# Altium PCB DB31.PcbDoc (part 4 of 8) (continued)
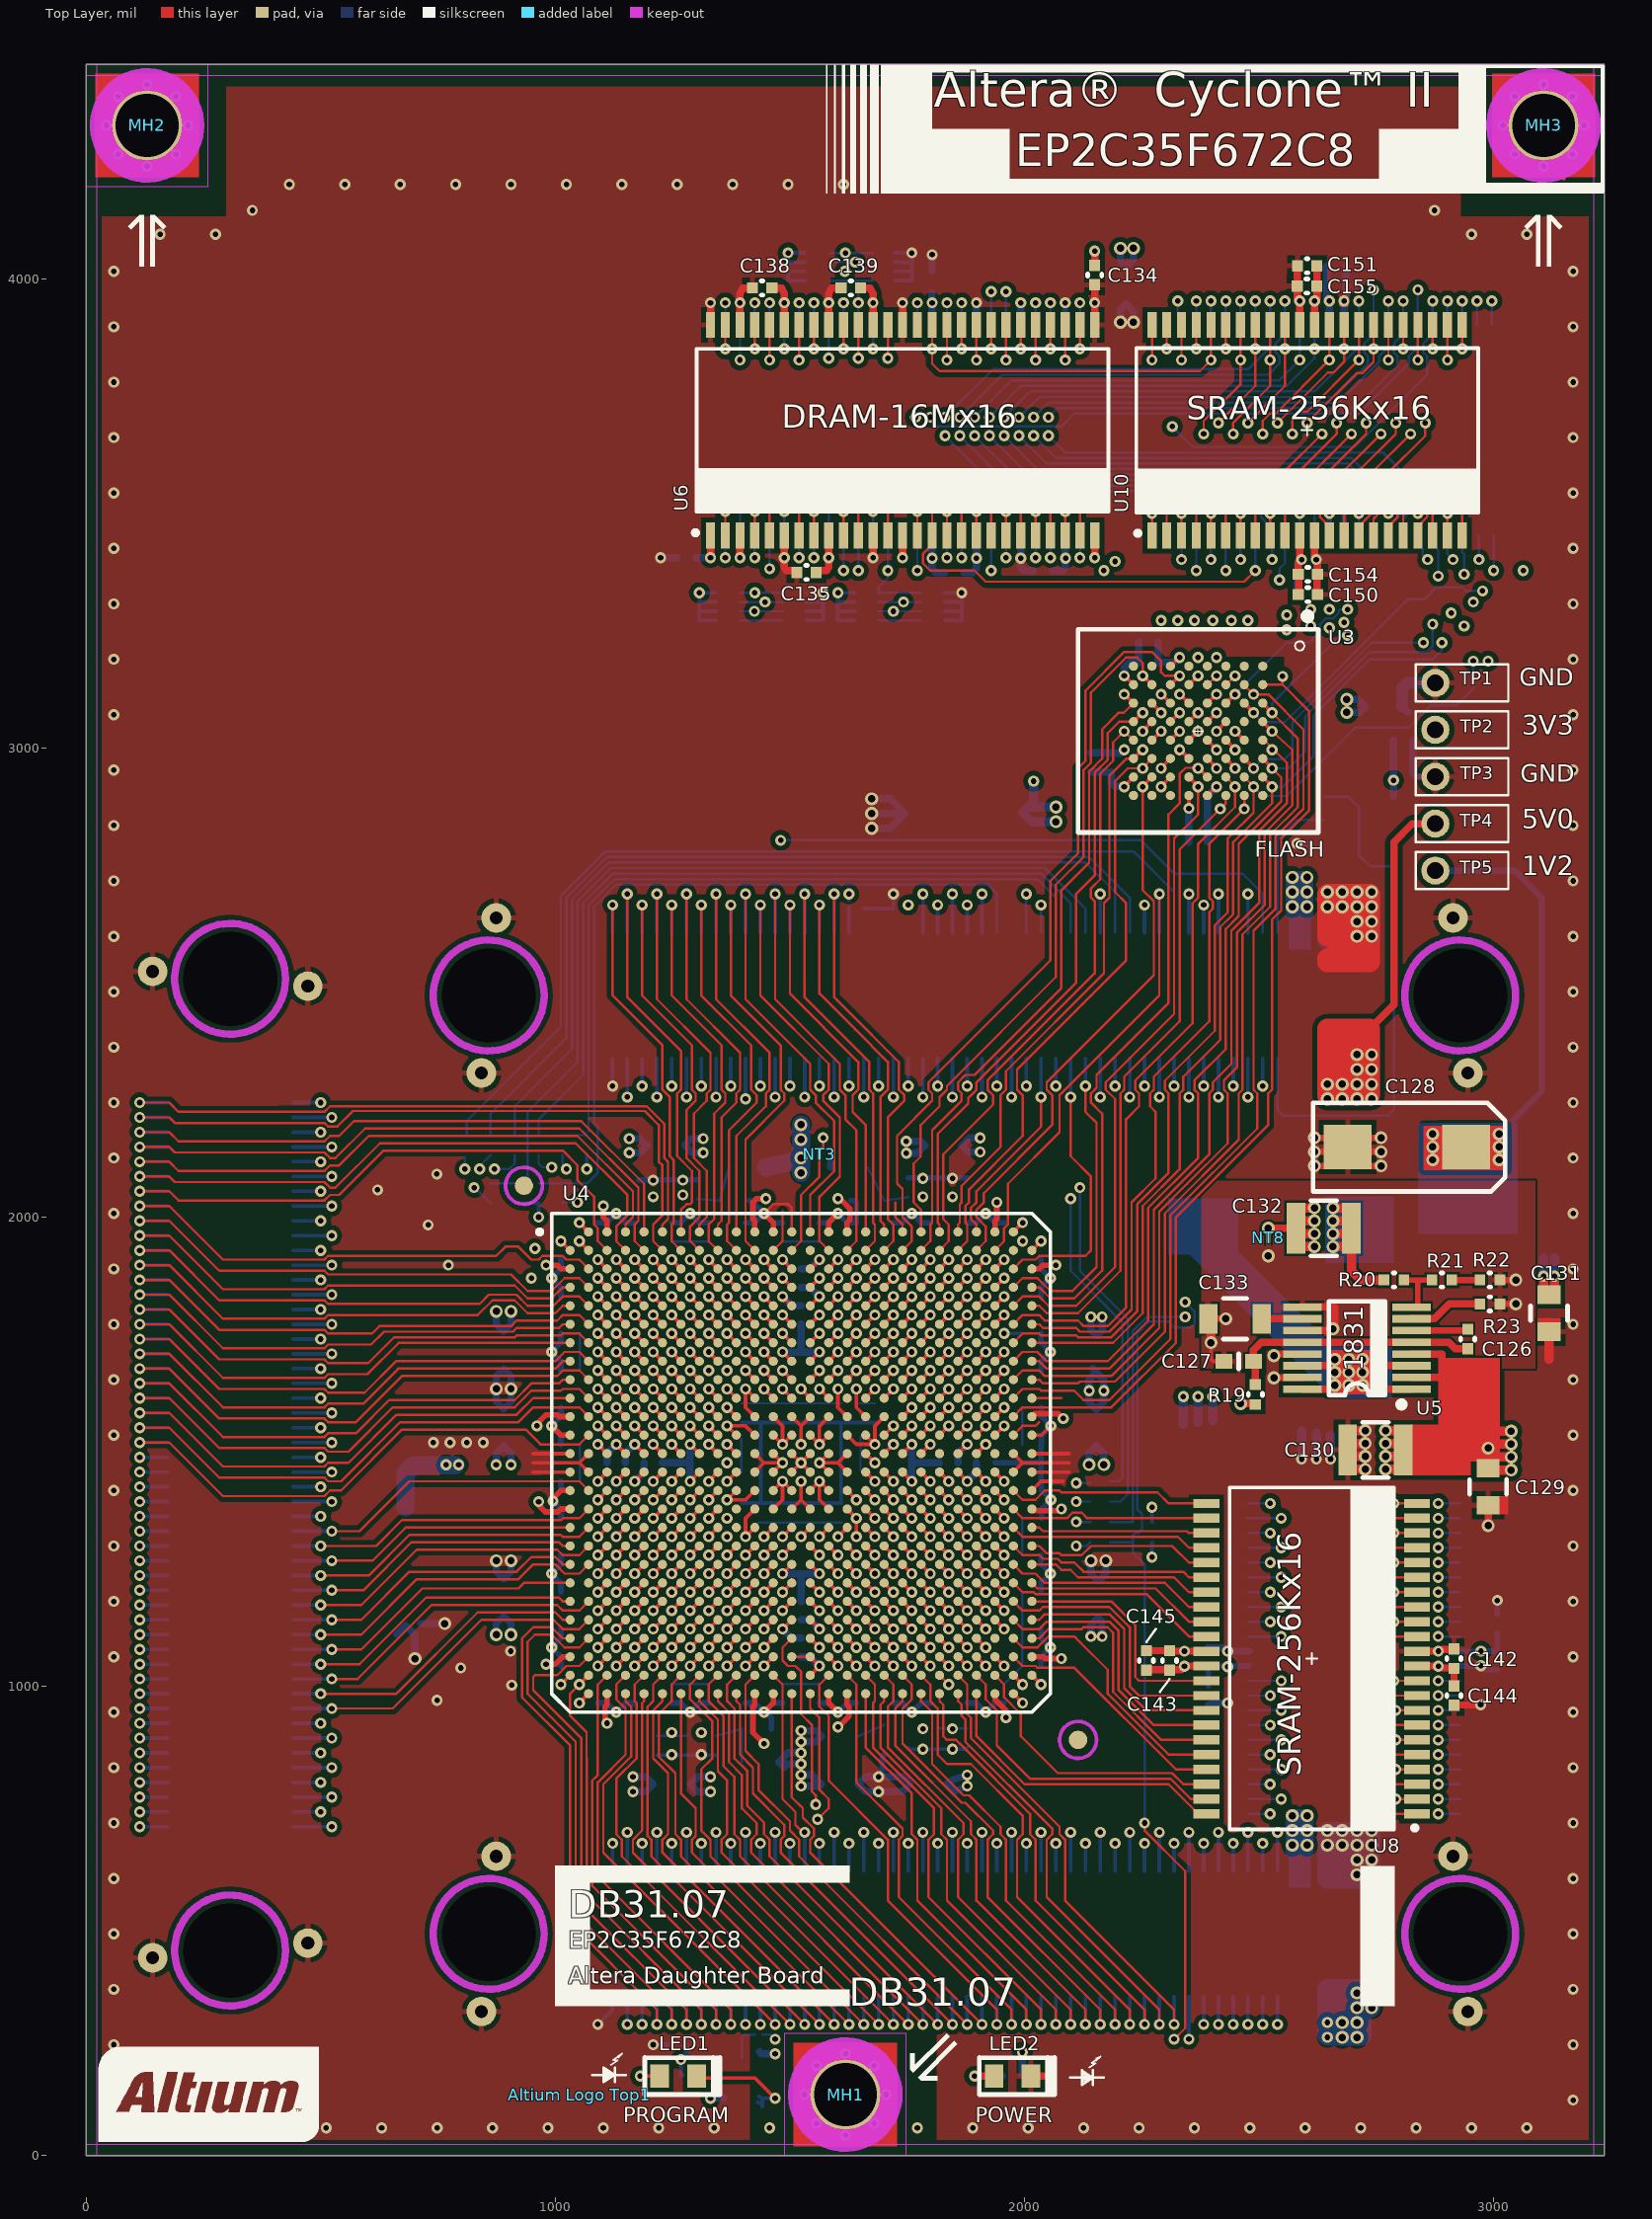
[diagram p0: Top Layer view]
## Nets (pads, with @x,y where several pads share a name; then routed paths per layer and width w, separated by ;. In a path a pad name is that pad's centre, name@x,y a point inside that pad or via, vN(x,y) a via of type N, cw(c..) or ccw(c..) an arc to the next point about the centre after c; other vN are vias at no path point) (continued)
DIP3: HDR_B1.28 U4.AE12 | length 447.4
  Top Layer w5: U4.AE12@1464.57,1023.62 1484.25,1003.93 1484.25,921.26 1484.25,909.45 1484.25,759.84 1511.81,732.28 1511.81,704.72 1527.56,688.98 v2(1531.5,688.98)
  Bottom Layer w7.87: HDR_B1.28@1531.5,606.3 v2(1531.5,688.98)
DIP4: HDR_B1.30 U4.AA13 | length 652.6
  Top Layer w7.87: v1(1484.25,1161.41) U4.AA13@1503.94,1181.1
  MidLayer2 w5: v1(1484.25,1161.41) 1464.57,1141.73 1464.57,921.26 1464.57,909.45 1464.57,889.76 1503.94,850.39 1503.94,688.98 1527.56,665.35 v2(1562.99,665.35)
  Bottom Layer w7.87: HDR_B1.30@1562.99,606.3 v2(1562.99,665.35)
DIP5: HDR_B1.32 U4.AC7 | length 1162.5
  Top Layer w7.87: v1(1248.03,1082.67) U4.AC7@1267.72,1102.36
  MidLayer1 w5: v1(1248.03,1082.67) 1228.35,1062.99 1228.35,1023.62 1196.85,992.12 1196.85,921.26 1196.85,909.45 1196.85,867.82 1102.36,773.33 1102.36,653.54 1141.73,614.17 1559.06,614.17 1594.49,649.61 v2(1594.49,688.98)
  Bottom Layer w7.87: HDR_B1.32@1594.49,606.3 v2(1594.49,688.98)
DIP6: HDR_B1.34 U4.AD6 | length 1110.6
  Top Layer w7.87: v1(1208.66,1043.3) U4.AD6@1228.35,1062.99
  MidLayer1 w5: v1(1208.66,1043.3) 1208.66,1023.62 1185.04,1000 1185.04,921.26 1185.04,909.45 1185.04,874.02 1090.55,779.53 1090.55,649.61 1137.8,602.36 1562.99,602.36 v2(1625.98,665.35)
  Bottom Layer w7.87: HDR_B1.34@1625.99,606.3 v2(1625.98,665.35)
DIP7: HDR_B1.36 U4.AC6 | length 1259.8
  Top Layer w7.87: v1(1208.66,1082.67) U4.AC6@1228.35,1102.36
  MidLayer1 w5: v1(1208.66,1082.67) 1188.98,1062.99 1188.98,1023.62 1173.23,1007.87 1173.23,921.26 1173.23,909.45 1173.23,877.95 1078.74,783.46 1078.74,645.67 1133.86,590.55 1586.61,590.55 1657.48,661.42 v2(1657.48,688.98)
  Bottom Layer w7.87: HDR_B1.36@1657.48,606.3 v2(1657.48,688.98)
EXTEND_A0: HDR_L1.1 U4.A6 | length 1467.7
  Top Layer w5: v2(114.17,2244.09) 177.17,2244.09 196.85,2224.41 409.45,2224.41 ; 385.83,2224.41 507.88,2224.41 519.69,2236.22 1194.66,2236.22 1232.28,2198.6 1232.28,2125.98 1240.16,2118.11 1240.16,2043.31 1240.16,2031.5 1240.16,1996.06 1228.35,1984.25 U4.A6@1228.35,1968.5
  Bottom Layer w7.87: v2(114.17,2244.09) HDR_L1.1@173.23,2244.09
EXTEND_A1: HDR_L1.3 U4.B6 | length 1533.7
  Top Layer w5: v2(114.17,2212.6) 153.54,2212.6 ; 137.8,2212.6 177.17,2212.6 188.98,2200.79 409.45,2200.79 ; 377.95,2200.79 507.88,2200.79 515.75,2192.91 535.43,2192.91 568.74,2226.22 1190.52,2226.22 1220.47,2196.27 1220.47,2118.11 1228.35,2110.24 1228.35,2043.31 1228.35,2031.5 1228.35,2003.94 1208.66,1984.25 1208.66,1948.82 U4.B6@1228.35,1929.13
  Bottom Layer w7.87: v2(114.17,2212.6) HDR_L1.3@173.23,2212.6
EXTEND_A2: HDR_L1.5 U4.A5 | length 1337.4
  Top Layer w5: v2(114.17,2181.1) 157.48,2181.1 ; 137.8,2181.1 177.17,2181.1 196.85,2161.42 507.88,2161.42 519.69,2173.23 539.37,2173.23 570.87,2204.72 1055.12,2204.72 1188.98,2070.87 1188.98,2043.31 1188.98,2031.5 U4.A5@1188.98,1968.5
  Bottom Layer w7.87: v2(114.17,2181.1) HDR_L1.5@173.23,2181.1
EXTEND_A3: HDR_L1.7 U4.B5 | length 1371.1
  Top Layer w5: v2(114.17,2149.61) 153.54,2149.61 ; 137.8,2149.61 177.17,2149.61 188.98,2137.8 507.88,2137.8 519.69,2125.98 531.5,2125.98 594.49,2188.98 1051.18,2188.98 1177.17,2062.99 1177.17,2043.31 1177.17,2031.5 1177.17,1992.12 1169.29,1984.25 1169.29,1948.82 U4.B5@1188.98,1929.13
  Bottom Layer w7.87: v2(114.17,2149.61) HDR_L1.7@173.23,2149.6
EXTEND_A4: HDR_L1.9 U4.A4 | length 1326.9
  Top Layer w5: v2(114.17,2118.11) 149.6,2118.11 ; 137.8,2118.11 177.17,2118.11 196.85,2098.43 409.45,2098.43 ; 385.83,2098.43 507.88,2098.43 519.69,2110.24 539.37,2110.24 602.36,2173.23 1047.24,2173.23 1165.35,2055.12 1165.35,2043.31 1165.35,2031.5 1165.35,2000 1149.61,1984.25 U4.A4@1149.61,1968.5
  Bottom Layer w7.87: v2(114.17,2118.11) HDR_L1.9@173.23,2118.11
EXTEND_A5: HDR_L1.11 U4.B4 | length 1340.9
  Top Layer w5: v2(114.17,2086.62) 149.61,2086.62 ; 137.8,2086.61 177.17,2086.61 188.98,2074.8 507.88,2074.8 519.69,2062.99 531.5,2062.99 625.98,2157.48 1043.31,2157.48 1153.54,2047.24 1153.54,2043.31 1153.54,2031.5 1153.54,2003.94 1129.92,1980.32 1129.92,1948.82 U4.B4@1149.61,1929.13
  Bottom Layer w7.87: v2(114.17,2086.62) HDR_L1.11@173.23,2086.61
EXTEND_A6: HDR_L1.13 U4.B3 | length 1300
  Top Layer w5: v2(114.17,2055.12) 149.61,2055.12 ; 137.8,2055.12 177.16,2055.12 196.85,2035.43 409.45,2035.43 ; 385.83,2035.43 507.88,2035.43 519.69,2047.24 539.37,2047.24 633.86,2141.73 1015.75,2141.73 1047.24,2110.24 1047.24,2078.74 1082.68,2043.31 1082.68,2031.5 1082.68,1984.25 1090.55,1976.38 1090.55,1948.82 U4.B3@1110.24,1929.13
  Bottom Layer w7.87: v2(114.17,2055.12) HDR_L1.13@173.23,2055.12
EXTEND_A7: HDR_L1.15 U4.C2 | length 1112.4
  Top Layer w5: v2(114.17,2023.62) 149.61,2023.62 ; 137.8,2023.62 177.16,2023.62 291.34,1909.45 507.87,1909.45 515.75,1917.32 874.02,1917.32 893.7,1937.01 921.26,1937.01 948.82,1909.45 964.57,1909.45 972.44,1917.32 1015.75,1917.32 1023.62,1909.45 1051.18,1909.45 U4.C2@1070.87,1889.76
  Bottom Layer w7.87: v2(114.17,2023.62) HDR_L1.15@173.23,2023.62
EXTEND_A8: HDR_L1.17 U4.D2 | length 1109.1
  Top Layer w5: v2(114.17,1992.13) 149.61,1992.13 ; 137.8,1992.13 177.16,1992.13 283.46,1885.83 507.87,1885.83 515.75,1877.95 905.51,1877.95 940.94,1842.52 956.69,1842.52 968.5,1842.52 992.13,1842.52 1019.68,1870.08 1051.18,1870.08 U4.D2@1070.87,1850.39
  Bottom Layer w7.87: v2(114.17,1992.13) HDR_L1.17@173.23,1992.12
EXTEND_A9: HDR_L1.19 U4.D1 | length 1059.9
  Top Layer w5: v2(114.17,1960.63) 149.61,1960.63 ; 137.8,1960.63 177.16,1960.63 291.34,1846.46 507.87,1846.46 515.75,1854.33 913.39,1854.33 940.94,1826.77 956.69,1826.77 968.5,1826.77 992.13,1826.77 1015.75,1850.39 U4.D1@1031.5,1850.39
  Bottom Layer w7.87: v2(114.17,1960.63) HDR_L1.19@173.23,1960.63
EXTEND_A10: HDR_L1.21 U4.E2 | length 1109.1
  Top Layer w5: v2(114.17,1929.13) 149.61,1929.13 ; 137.8,1929.13 177.16,1929.13 283.46,1822.83 507.87,1822.83 515.75,1814.96 838.58,1814.96 858.27,1834.65 917.32,1834.65 940.94,1811.02 956.69,1811.02 968.5,1811.02 996.06,1811.02 1015.75,1830.71 1051.18,1830.71 U4.E2@1070.87,1811.02
  Bottom Layer w7.87: v2(114.17,1929.13) HDR_L1.21@173.23,1929.13
EXTEND_A11: HDR_L1.23 U4.E1 | length 1069.7
  Top Layer w5: v2(114.17,1897.64) 149.61,1897.64 ; 137.8,1897.64 177.16,1897.64 291.34,1783.46 507.87,1783.46 515.75,1791.34 834.64,1791.34 866.14,1822.83 913.39,1822.83 940.94,1795.28 956.69,1795.28 968.5,1795.28 1000,1795.28 1015.75,1811.02 U4.E1@1031.5,1811.02
  Bottom Layer w7.87: v2(114.17,1897.64) HDR_L1.23@173.23,1897.64
EXTEND_A12: HDR_L1.25 U4.F2 | length 1099.3
  Top Layer w5: v2(114.17,1866.14) 149.61,1866.14 ; 137.8,1866.14 177.16,1866.14 283.46,1759.84 507.87,1759.84 515.75,1751.97 609.25,1751.97 625,1767.72 905.51,1767.72 917.32,1779.53 956.69,1779.53 968.5,1779.53 1003.94,1779.53 1015.75,1791.34 1051.18,1791.34 U4.F2@1070.87,1771.65
  Bottom Layer w7.87: v2(114.17,1866.14) HDR_L1.25@173.23,1866.14
EXTEND_A13: HDR_L1.27 U4.F1 | length 1056.7
  Top Layer w5: v2(114.17,1834.65) 149.61,1834.65 ; 137.8,1834.65 177.16,1834.65 291.34,1720.47 507.87,1720.47 515.75,1728.35 607.28,1728.35 634.84,1755.91 909.45,1755.91 917.32,1763.78 956.69,1763.78 968.5,1763.78 1007.87,1763.78 1015.75,1771.65 U4.F1@1031.5,1771.65
  Bottom Layer w7.87: v2(114.17,1834.65) HDR_L1.27@173.23,1834.64
EXTEND_A14: HDR_L1.29 U4.G2 | length 1105.2
  Top Layer w5: v2(114.17,1803.15) 145.67,1803.15 ; 137.8,1803.15 177.16,1803.15 283.46,1696.85 507.87,1696.85 515.75,1688.98 601.38,1688.98 656.5,1744.09 913.39,1744.09 917.32,1748.03 956.69,1748.03 968.5,1748.03 1011.81,1748.03 1015.75,1751.97 1051.18,1751.97 U4.G2@1070.87,1732.28
  Bottom Layer w7.87: v2(114.17,1803.15) HDR_L1.29@173.23,1803.15
EXTEND_A15: HDR_L1.31 U4.G1 | length 1062.5
  Top Layer w5: v2(114.17,1771.65) 145.67,1771.65 ; 137.8,1771.65 177.16,1771.65 291.34,1657.48 507.87,1657.48 515.75,1665.35 599.41,1665.35 666.34,1732.28 956.69,1732.28 968.5,1732.28 U4.G1@1031.5,1732.28
  Bottom Layer w7.87: v2(114.17,1771.65) HDR_L1.31@173.23,1771.65
EXTEND_A16: HDR_L1.33 U4.H2 | length 1114.9
  Top Layer w5: v2(114.17,1740.16) 145.67,1740.16 ; 137.8,1740.16 177.16,1740.16 283.46,1633.86 507.87,1633.86 515.75,1625.98 593.5,1625.98 660.43,1692.91 956.69,1692.91 968.5,1692.91 1000,1692.91 1019.68,1712.6 1051.18,1712.6 U4.H2@1070.87,1692.91
  Bottom Layer w7.87: v2(114.17,1740.16) HDR_L1.33@173.23,1740.15
EXTEND_A17: HDR_L1.35 U4.H1 | length 1076.3
  Top Layer w5: v2(114.17,1708.66) 149.61,1708.66 ; 137.8,1708.66 177.16,1708.66 291.34,1594.49 507.87,1594.49 515.75,1602.36 590.55,1602.36 665.36,1677.17 956.69,1677.17 968.5,1677.17 1000,1677.17 1015.75,1692.91 U4.H1@1031.5,1692.91
  Bottom Layer w7.87: v2(114.17,1708.66) HDR_L1.35@173.23,1708.66
EXTEND_A18: HDR_L1.37 U4.J2 | length 1128.7
  Top Layer w5: v2(114.17,1677.17) 149.61,1677.17 ; 137.8,1677.17 177.16,1677.17 283.46,1570.86 507.87,1570.86 515.75,1562.99 574.8,1562.99 673.23,1661.42 956.69,1661.42 968.5,1661.42 1003.94,1661.42 1015.75,1673.23 1051.18,1673.23 U4.J2@1070.87,1653.54
  Bottom Layer w7.87: v2(114.17,1677.17) HDR_L1.37@173.23,1677.16
EXTEND_A19: HDR_L1.39 U4.J1 | length 1086
  Top Layer w5: v2(114.17,1645.67) 149.61,1645.67 ; 137.8,1645.67 177.16,1645.67 291.34,1531.49 507.87,1531.49 515.75,1539.37 574.8,1539.37 645.67,1610.24 913.39,1610.24 948.82,1645.67 956.69,1645.67 968.5,1645.67 1007.88,1645.67 1015.75,1653.54 U4.J1@1031.5,1653.54
  Bottom Layer w7.87: v2(114.17,1645.67) HDR_L1.39@173.23,1645.67
EXTEND_A20: HDR_L1.41 U4.K2 | length 1138.4
  Top Layer w5: v2(114.17,1614.17) 149.61,1614.17 ; 137.8,1614.17 177.16,1614.17 283.46,1507.87 507.87,1507.87 515.75,1500 559.05,1500 653.54,1594.49 913.39,1594.49 948.82,1629.92 956.69,1629.92 968.5,1629.92 1011.81,1629.92 1015.75,1633.86 1051.18,1633.86 U4.K2@1070.87,1614.17
  Bottom Layer w7.87: v2(114.17,1614.17) HDR_L1.41@173.23,1614.17
EXTEND_A21: HDR_L1.43 U4.K1 | length 1095.8
  Top Layer w5: v2(114.17,1582.68) 149.61,1582.68 ; 137.8,1582.68 177.16,1582.68 291.34,1468.5 507.87,1468.5 515.75,1476.38 559.05,1476.38 661.42,1578.74 917.32,1578.74 952.76,1614.17 956.69,1614.17 968.5,1614.17 U4.K1@1031.5,1614.17
  Bottom Layer w7.87: v2(114.17,1582.68) HDR_L1.43@173.23,1582.67
EXTEND_A22: HDR_L1.45 U4.L2 | length 1136.4
  Top Layer w5: v2(114.17,1551.18) 177.16,1551.18 283.46,1444.88 507.87,1444.88 515.75,1437.01 543.31,1437.01 669.29,1562.99 921.26,1562.99 952.76,1594.49 956.69,1594.49 968.5,1594.49 1051.18,1594.49 U4.L2@1070.87,1574.8
  Bottom Layer w7.87: v2(114.17,1551.18) HDR_L1.45@173.23,1551.18
EXTEND_A23: HDR_L1.47 U4.M2 | length 1154.8
  Top Layer w5: v2(114.17,1519.69) 149.61,1519.69 ; 137.8,1519.69 177.16,1519.69 291.34,1405.51 507.87,1405.51 519.68,1417.32 543.31,1417.32 673.23,1547.24 937.01,1547.24 968.5,1515.75 1051.18,1515.75 U4.M2@1070.87,1535.43
  Bottom Layer w7.87: v2(114.17,1519.69) HDR_L1.47@173.23,1519.68
EXTEND_A24: HDR_L1.49 U4.E8 | length 1418.3
  Top Layer w7.87: v1(1287.4,1830.71) U4.E8@1307.09,1811.02
  MidLayer2 w5: v2(114.17,1488.19) 145.67,1488.19 440.94,1783.46 507.87,1783.46 574.8,1850.39 956.69,1850.39 968.5,1850.39 1267.72,1850.39 v1(1287.4,1830.71)
  Bottom Layer w7.87: v2(114.17,1488.19) HDR_L1.49@173.23,1488.19
EXTEND_A25: HDR_L1.51 U4.F7 | length 1398.5
  Top Layer w7.87: v1(1248.03,1791.34) U4.F7@1267.72,1771.65
  MidLayer2 w5: v2(114.17,1456.69) 145.67,1456.69 448.82,1759.84 507.87,1759.84 519.68,1748.03 543.31,1748.03 622.05,1826.77 917.32,1826.77 933.07,1811.02 956.69,1811.02 968.51,1811.03 1228.35,1811.03 v1(1248.03,1791.34)
  Bottom Layer w7.87: v2(114.17,1456.69) HDR_L1.51@173.23,1456.69
EXTEND_A26: HDR_L1.53 U4.G5 | length 1293.7
  Top Layer w7.87: v1(1169.29,1751.97) U4.G5@1188.98,1732.28
  MidLayer2 w5: v2(114.17,1425.2) 145.67,1425.2 440.94,1720.47 507.87,1720.47 519.69,1732.28 547.24,1732.28 586.61,1771.65 956.69,1771.65 968.51,1771.65 1149.61,1771.65 v1(1169.29,1751.97)
  Bottom Layer w7.87: v2(114.17,1425.2) HDR_L1.53@173.23,1425.19
EXTEND_A27: HDR_L1.55 U4.H6 | length 1339.6
  Top Layer w7.87: v1(1208.66,1712.6) U4.H6@1228.35,1692.91
  MidLayer2 w5: v2(114.17,1393.7) 145.67,1393.7 448.81,1696.85 507.87,1696.85 519.68,1685.04 531.5,1685.04 578.74,1732.28 956.69,1732.28 968.51,1732.28 1188.98,1732.29 v1(1208.66,1712.6)
  Bottom Layer w7.87: v2(114.17,1393.7) HDR_L1.55@173.23,1393.7
EXTEND_A28: HDR_L1.57 U4.J5 | length 1287.2
  Top Layer w7.87: v1(1169.29,1673.23) U4.J5@1188.98,1653.54
  MidLayer2 w5: v2(114.17,1362.21) 145.67,1362.21 440.94,1657.48 507.87,1657.48 519.69,1669.29 535.43,1669.29 559.06,1692.91 956.69,1692.91 968.51,1692.91 1149.61,1692.91 v1(1169.29,1673.23)
  Bottom Layer w7.87: v2(114.17,1362.21) HDR_L1.57@173.23,1362.2
EXTEND_A29: HDR_L1.59 U4.K5 | length 1300.2
  Top Layer w7.87: v1(1169.29,1633.86) U4.K5@1188.98,1614.17
  MidLayer2 w5: v2(114.17,1330.71) 145.67,1330.71 448.81,1633.86 507.87,1633.86 519.68,1622.05 531.5,1622.05 570.87,1661.42 917.32,1661.42 925.2,1653.54 956.69,1653.54 968.51,1653.54 1149.61,1653.54 v1(1169.29,1633.86)
  Bottom Layer w7.87: v2(114.17,1330.71) HDR_L1.59@173.23,1330.71
EXTEND_A30: HDR_L1.61 U4.K6 | length 1320
  Top Layer w7.87: v1(1208.66,1633.86) U4.K6@1228.35,1614.17
  MidLayer2 w5: v2(114.17,1299.21) 145.67,1299.21 440.94,1594.49 507.87,1594.49 523.62,1610.24 921.26,1610.24 925.2,1614.17 956.69,1614.17 968.51,1614.18 1188.98,1614.17 v1(1208.66,1633.86)
  Bottom Layer w7.87: v2(114.17,1299.21) HDR_L1.61@173.23,1299.21
EXTEND_A31: HDR_L1.63 U4.L6 | length 1326.5
  Top Layer w7.87: v1(1208.66,1594.49) U4.L6@1228.35,1574.8
  MidLayer2 w5: v2(114.17,1267.72) 145.67,1267.72 448.81,1570.86 507.87,1570.86 519.68,1559.05 531.49,1559.05 547.24,1574.8 956.69,1574.8 968.51,1574.81 1188.98,1574.8 v1(1208.66,1594.49)
  Bottom Layer w7.87: v2(114.17,1267.72) HDR_L1.63@173.23,1267.71
EXTEND_A32: HDR_L1.65 U4.K9 | length 1505.3
  Top Layer w7.87: v1(1326.77,1633.86) U4.K9@1346.46,1614.17
  MidLayer2 w5: v2(114.17,1236.22) 145.67,1236.22 440.94,1531.49 507.87,1531.49 519.69,1543.31 917.32,1543.31 925.2,1535.43 956.69,1535.43 968.51,1535.43 1220.47,1535.43 1228.35,1543.31 1228.35,1602.36 1240.16,1614.17 1307.09,1614.17 v1(1326.77,1633.86)
  Bottom Layer w7.87: v2(114.17,1236.22) HDR_L1.65@173.23,1236.22
EXTEND_A33: HDR_L1.67 U4.L9 | length 1549.3
  Top Layer w7.87: v1(1326.77,1594.49) U4.L9@1346.46,1574.8
  MidLayer2 w5: v2(114.17,1204.72) 145.67,1204.72 448.81,1507.87 507.87,1507.87 519.68,1496.06 956.69,1496.06 968.51,1496.06 1334.65,1496.06 1346.46,1507.87 1346.46,1574.8 v1(1326.77,1594.49)
  Bottom Layer w7.87: v2(114.17,1204.72) HDR_L1.67@173.23,1204.72
EXTEND_A34: HDR_L1.69 U4.L10 | length 1637.8
  Top Layer w7.87: v1(1366.14,1594.49) U4.L10@1385.83,1574.8
  MidLayer2 w5: v2(114.17,1173.23) 145.67,1173.23 440.94,1468.5 507.87,1468.5 519.69,1480.31 716.54,1480.31 744.09,1452.76 925.2,1452.76 929.13,1456.69 956.69,1456.69 968.51,1456.69 1374.02,1456.69 1385.83,1468.5 1385.83,1574.8 v1(1366.14,1594.49)
  Bottom Layer w7.87: v2(114.17,1173.23) HDR_L1.69@173.23,1173.23
EXTEND_A35: HDR_L1.71 U4.P6 | length 1326.5
  Top Layer w7.87: v1(1208.66,1437.01) U4.P6@1228.35,1456.69
  MidLayer2 w5: v2(114.17,1141.73) 145.67,1141.73 448.81,1444.88 507.87,1444.88 519.68,1433.07 909.45,1433.07 925.2,1417.32 956.69,1417.32 968.51,1417.33 1188.98,1417.32 v1(1208.66,1437.01)
  Bottom Layer w7.87: v2(114.17,1141.73) HDR_L1.71@173.23,1141.73
EXTEND_A36: HDR_L1.73 U4.R6 | length 1339.6
  Top Layer w7.87: v1(1208.66,1397.64) U4.R6@1228.35,1417.32
  MidLayer2 w5: v2(114.17,1110.24) 145.67,1110.24 440.94,1405.51 507.87,1405.51 519.69,1417.32 874.02,1417.32 921.26,1370.08 956.69,1370.08 968.51,1370.08 1023.63,1370.08 1031.5,1377.96 1133.86,1377.95 1188.98,1377.95 v1(1208.66,1397.64)
  Bottom Layer w7.87: v2(114.17,1110.24) HDR_L1.73@173.23,1110.23
EXTEND_A37: HDR_L1.75 U4.T6 | length 1333
  Top Layer w7.87: v1(1208.66,1358.27) U4.T6@1228.35,1377.95
  MidLayer2 w5: v2(114.17,1078.74) 145.67,1078.74 448.81,1381.89 507.87,1381.89 519.68,1370.08 877.95,1370.08 909.45,1338.58 956.69,1338.58 968.51,1338.59 1188.98,1338.58 v1(1208.66,1358.27)
  Bottom Layer w7.87: v2(114.17,1078.74) HDR_L1.75@173.23,1078.74
EXTEND_A38: HDR_L1.77 U4.U5 | length 1300.2
  Top Layer w7.87: v1(1169.29,1318.9) U4.U5@1188.98,1338.58
  MidLayer2 w5: v2(114.17,1047.24) 145.67,1047.24 440.94,1342.52 507.87,1342.52 519.69,1354.33 874.02,1354.33 929.13,1299.21 956.69,1299.21 968.51,1299.21 1149.61,1299.21 v1(1169.29,1318.9)
  Bottom Layer w7.87: v2(114.17,1047.24) HDR_L1.77@173.23,1047.24
EXTEND_A39: HDR_L1.79 U4.V5 | length 1300.2
  Top Layer w7.87: v1(1169.29,1279.53) U4.V5@1188.98,1299.21
  MidLayer2 w5: v2(114.17,1015.75) 145.67,1015.75 448.81,1318.9 507.87,1318.9 519.68,1307.09 901.58,1307.09 948.82,1259.84 956.69,1259.84 968.51,1259.84 1149.61,1259.84 v1(1169.29,1279.53)
  Bottom Layer w7.87: v2(114.17,1015.75) HDR_L1.79@173.23,1015.74
EXTEND_A40: HDR_L1.81 U4.W6 | length 1346.1
  Top Layer w7.87: v1(1208.66,1240.16) U4.W6@1228.35,1259.84
  MidLayer2 w5: v2(114.17,984.25) 145.67,984.25 440.94,1279.53 507.87,1279.53 519.69,1291.34 814.96,1291.34 885.83,1220.47 956.69,1220.47 968.51,1220.47 1188.98,1220.47 v1(1208.66,1240.16)
  Bottom Layer w7.87: v2(114.17,984.25) HDR_L1.81@173.23,984.25
EXTEND_A41: HDR_L1.83 U4.Y5 | length 1306.7
  Top Layer w7.87: v1(1169.29,1200.78) U4.Y5@1188.98,1220.47
  MidLayer2 w5: v2(114.17,952.76) 145.67,952.75 448.81,1255.9 507.87,1255.9 519.69,1244.09 842.52,1244.09 905.51,1181.1 956.69,1181.1 968.51,1181.1 1149.61,1181.1 v1(1169.29,1200.78)
  Bottom Layer w7.87: v2(114.17,952.76) HDR_L1.83@173.23,952.75
EXTEND_A42: HDR_L1.85 U4.AA5 | length 1313.2
  Top Layer w7.87: v1(1169.29,1161.41) U4.AA5@1188.98,1181.1
  MidLayer2 w5: v2(114.17,921.26) 145.67,921.26 440.94,1216.53 507.87,1216.53 519.69,1228.34 838.58,1228.34 925.2,1141.73 956.69,1141.73 968.51,1141.73 1149.61,1141.73 v1(1169.29,1161.41)
  Bottom Layer w7.87: v2(114.17,921.26) HDR_L1.85@173.23,921.26
EXTEND_A43: HDR_L1.87 U4.AA6 | length 1387.4
  Top Layer w7.87: v1(1208.66,1161.41) U4.AA6@1228.35,1181.1
  MidLayer2 w5: v2(114.17,889.76) 145.67,889.76 448.81,1192.91 507.87,1192.91 519.69,1181.1 866.14,1181.1 944.88,1102.36 956.69,1102.36 968.5,1102.36 1181.1,1102.36 1188.98,1110.24 1188.98,1141.73 v1(1208.66,1161.41)
  Bottom Layer w7.87: v2(114.17,889.76) HDR_L1.87@173.23,889.76
EXTEND_A44: HDR_L1.89 U4.H8 | length 1907.1
  Top Layer w7.87: v1(1287.4,1712.6) U4.H8@1307.09,1692.91
  MidLayer3 w5: v2(114.17,858.27) 133.86,858.27 168.4,892.81 168.4,1365.25 460.63,1657.48 507.87,1657.48 526.57,1676.18 821.85,1676.18 877.95,1732.28 956.69,1732.28 968.5,1732.28 1267.72,1732.28 v1(1287.4,1712.6)
  Bottom Layer w7.87: v2(114.17,858.27) HDR_L1.89@173.23,858.26
EXTEND_A45: HDR_L1.91 U4.J6 | length 1831.6
  Top Layer w7.87: v1(1208.66,1673.23) U4.J6@1228.35,1653.54
  MidLayer3 w5: v2(114.17,826.77) 133.86,826.77 192.91,885.83 192.91,1358.27 468.5,1633.86 507.87,1633.86 515.75,1625.98 799.21,1625.98 866.14,1692.91 956.69,1692.91 968.51,1692.91 1188.98,1692.91 v1(1208.66,1673.23)
  Bottom Layer w7.87: v2(114.17,826.77) HDR_L1.91@173.23,826.77
EXTEND_A46: HDR_L1.93 U4.J8 | length 1907.1
  Top Layer w7.87: v1(1287.4,1673.23) U4.J8@1307.09,1653.54
  MidLayer3 w5: v2(114.17,795.28) 133.86,795.28 216.54,877.95 216.54,1350.39 460.63,1594.49 507.87,1594.49 519.68,1606.3 811.02,1606.3 866.14,1661.42 922.24,1661.42 930.12,1653.54 956.69,1653.54 968.51,1653.54 1267.72,1653.54 v1(1287.4,1673.23)
  Bottom Layer w7.87: v2(114.17,795.28) HDR_L1.93@173.23,795.27
EXTEND_A47: HDR_L1.95 U4.K7 | length 1867.7
  Top Layer w7.87: v1(1248.03,1633.86) U4.K7@1267.72,1614.17
  MidLayer3 w5: v2(114.17,763.78) 133.86,763.78 240.16,870.08 240.16,1342.52 468.5,1570.87 507.87,1570.87 519.68,1559.06 870.08,1559.06 925.2,1614.17 956.69,1614.17 968.51,1614.17 1228.35,1614.17 v1(1248.03,1633.86)
  Bottom Layer w7.87: v2(114.17,763.78) HDR_L1.95@173.23,763.78
EXTEND_A48: HDR_L1.97 U4.L7 | length 1854.9
  Top Layer w7.87: v1(1248.03,1594.49) U4.L7@1267.72,1574.8
  MidLayer3 w5: v2(114.17,732.28) 133.86,732.28 263.78,862.2 263.78,1334.65 460.63,1531.5 508.35,1531.5 508.35,1531.97 519.68,1543.31 881.89,1543.31 913.39,1574.8 956.69,1574.8 968.51,1574.8 1228.35,1574.8 v1(1248.03,1594.49)
  Bottom Layer w7.87: v2(114.17,732.28) HDR_L1.97@173.23,732.28
EXTEND_A49: HDR_L1.99 U4.K8 | length 1972.4
  Top Layer w7.87: v1(1287.4,1633.86) U4.K8@1307.09,1614.17
  MidLayer3 w5: v2(114.17,700.79) 133.86,700.79 287.4,854.33 287.4,1322.83 472.44,1507.87 507.87,1507.87 519.68,1496.06 870.08,1496.06 909.45,1535.43 956.69,1535.43 968.51,1535.43 1259.84,1535.43 1267.72,1543.31 1267.72,1614.17 v1(1287.4,1633.86)
  Bottom Layer w7.87: v2(114.17,700.79) HDR_L1.99@173.23,700.78
EXTEND_B0: HDR_L1.2 U4.D5 | length 1070.7
  Top Layer w7.87: v1(1169.29,1870.08) U4.D5@1188.98,1850.39
  MidLayer1 w5: v2(500,2244.1) 1062.99,2244.1 1129.53,2177.56 1129.53,2106.69 1149.61,2086.61 1149.61,2039.37 1149.61,2031.5 1149.61,1889.76 v1(1169.29,1870.08) ; v1@1167.32,1868.11 v1@1169.28,1866.15
  Bottom Layer w7.87: HDR_L1.2@440.94,2244.09 v2(500,2244.1)
EXTEND_B1: HDR_L1.4 U4.C4 | length 1021.5
  Top Layer w7.87: v1(1129.92,1909.45) U4.C4@1149.61,1889.76
  MidLayer1 w5: v2(523.62,2212.6) 527.56,2212.6 531.5,2208.66 1084.28,2208.66 1119.53,2173.42 1119.53,2080.16 1082.68,2043.31 1082.68,2039.37 1082.68,2031.5 1082.68,1992.13 1129.92,1944.88 v1(1129.92,1909.45)
  Bottom Layer w7.87: HDR_L1.4@440.94,2212.6 v2(523.62,2212.6)
EXTEND_B2: HDR_L1.6 U4.C3 | length 946.6
  Top Layer w7.87: v1(1090.55,1909.45) U4.C3@1110.24,1889.76
  MidLayer1 w5: v2(500,2181.1) 1047.24,2181.1 1098.43,2129.92 1098.43,2074.8 1070.87,2047.24 1070.87,1929.13 v1(1090.55,1909.45)
  Bottom Layer w7.87: HDR_L1.6@440.94,2181.1 v2(500,2181.1)
EXTEND_B3: HDR_L1.8 U4.E3 | length 809.5
  Top Layer w7.87: v1(1090.55,1830.71) U4.E3@1110.24,1811.02
  MidLayer1 w5: v2(523.62,2149.61) 618.11,2149.61 937.01,1830.71 956.69,1830.71 968.5,1830.71 v1(1090.55,1830.71)
  Bottom Layer w7.87: HDR_L1.8@440.94,2149.6 v2(523.62,2149.61)
EXTEND_B4: HDR_L1.10 U4.F3 | length 812.8
  Top Layer w7.87: v1(1090.55,1791.34) U4.F3@1110.24,1771.65
  MidLayer1 w5: v2(500,2118.11) 622.05,2118.11 940.94,1799.21 956.69,1799.21 968.5,1799.21 1063,1799.21 1070.87,1791.34 v1@1090.55,1791.34
  Bottom Layer w7.87: HDR_L1.10@440.94,2118.11 v2(500,2118.11)
EXTEND_B5: HDR_L1.12 U4.G4 | length 862
  Top Layer w7.87: v1(1129.92,1751.97) U4.G4@1149.61,1732.28
  MidLayer1 w5: v2(523.62,2086.62) 834.65,1775.59 917.32,1775.59 925.2,1783.46 956.69,1783.46 968.5,1783.46 1059.05,1783.46 1070.87,1771.65 1110.24,1771.65 v1(1129.92,1751.97)
  Bottom Layer w7.87: HDR_L1.12@440.94,2086.61 v2(523.62,2086.62)
EXTEND_B6: HDR_L1.14 U4.G3 | length 806.3
  Top Layer w7.87: v1(1090.55,1751.97) U4.G3@1110.24,1732.28
  MidLayer1 w5: v2(500,2055.12) 523.62,2055.12 814.96,1763.78 937.01,1763.78 940.94,1767.72 956.69,1767.72 968.5,1767.72 1051.18,1767.72 1066.93,1751.97 v1@1090.55,1751.97
  Bottom Layer w7.87: HDR_L1.14@440.94,2055.12 v2(500,2055.12)
EXTEND_B7: HDR_L1.16 U4.H4 | length 845.6
  Top Layer w7.87: v1(1129.92,1712.6) U4.H4@1149.61,1692.91
  MidLayer1 w5: v2(523.62,2023.62) 795.28,1751.97 956.69,1751.97 968.5,1751.97 1043.31,1751.97 1062.99,1732.28 1110.24,1732.28 v1(1129.92,1712.6)
  Bottom Layer w7.87: HDR_L1.16@440.94,2023.62 v2(523.62,2023.62)
EXTEND_B8: HDR_L1.18 U4.H3 | length 793.2
  Top Layer w7.87: v1(1090.55,1712.6) U4.H3@1110.24,1692.91
  MidLayer1 w5: v2(500,1992.13) 523.62,1992.13 779.53,1736.22 956.69,1736.22 968.5,1736.22 1039.37,1736.22 1062.99,1712.6 v1@1090.55,1712.6
  Bottom Layer w7.87: HDR_L1.18@440.94,1992.12 v2(500,1992.13)
EXTEND_B9: HDR_L1.20 U4.J4 | length 839.1
  Top Layer w7.87: v1(1129.92,1673.23) U4.J4@1149.61,1653.54
  MidLayer1 w5: v2(523.62,1960.63) 795.28,1688.98 956.69,1688.98 968.5,1688.98 1059.05,1688.98 1062.99,1692.91 1110.24,1692.91 v1(1129.92,1673.23)
  Bottom Layer w7.87: HDR_L1.20@440.94,1960.63 v2(523.62,1960.63)
EXTEND_B10: HDR_L1.22 U4.J3 | length 783.4
  Top Layer w7.87: v1(1090.55,1673.23) U4.J3@1110.24,1653.54
  MidLayer1 w5: v2(500,1929.14) 523.62,1929.14 775.59,1677.17 956.69,1677.17 968.51,1677.17 1059.06,1677.17 1062.99,1673.23 v1@1090.55,1673.23
  Bottom Layer w7.87: HDR_L1.22@440.94,1929.13 v2(500,1929.14)
EXTEND_B11: HDR_L1.24 U4.K4 | length 826.1
  Top Layer w7.87: v1(1129.92,1633.86) U4.K4@1149.61,1614.17
  MidLayer1 w5: v2(523.62,1897.64) 759.84,1661.42 956.69,1661.42 968.5,1661.42 1066.93,1661.42 1074.8,1653.54 1110.24,1653.54 v1(1129.92,1633.86)
  Bottom Layer w7.87: HDR_L1.24@440.94,1897.64 v2(523.62,1897.64)
EXTEND_B12: HDR_L1.26 U4.K3 | length 799.8
  Top Layer w7.87: v1(1090.55,1633.86) U4.K3@1110.24,1614.17
  MidLayer1 w5: v2(500,1866.14) 523.62,1866.14 779.53,1610.24 913.38,1610.24 944.88,1641.73 956.69,1641.73 968.5,1641.73 1062.99,1641.73 1070.87,1633.86 v1(1090.55,1633.86)
  Bottom Layer w7.87: HDR_L1.26@440.94,1866.14 v2(500,1866.14)
EXTEND_B13: HDR_L1.28 U4.L4 | length 839.1
  Top Layer w7.87: v1(1129.92,1594.49) U4.L4@1149.61,1574.8
  MidLayer1 w5: v2(523.62,1834.65) 759.84,1598.43 917.32,1598.43 944.88,1625.99 956.69,1625.99 968.5,1625.98 1055.12,1625.98 1066.93,1614.17 1110.24,1614.17 v1(1129.92,1594.49)
  Bottom Layer w7.87: HDR_L1.28@440.94,1834.64 v2(523.62,1834.65)
EXTEND_B14: HDR_L1.30 U4.L3 | length 783.4
  Top Layer w7.87: v1(1090.55,1594.49) U4.L3@1110.24,1574.8
  MidLayer1 w5: v2(500,1803.15) 519.68,1803.15 736.22,1586.61 925.2,1586.61 948.82,1610.24 956.69,1610.24 968.5,1610.24 1051.18,1610.24 1066.93,1594.49 v1(1090.55,1594.49)
  Bottom Layer w7.87: HDR_L1.30@440.94,1803.15 v2(500,1803.15)
EXTEND_B15: HDR_L1.32 U4.M5 | length 862.2
  Top Layer w7.87: v1(1169.29,1555.12) U4.M5@1188.98,1535.43
  MidLayer1 w5: v2(523.62,1771.66) 720.48,1574.8 933.07,1574.8 952.76,1594.49 956.69,1594.49 968.5,1594.49 1035.43,1594.49 1055.12,1574.8 1149.61,1574.8 v1(1169.29,1555.12)
  Bottom Layer w7.87: HDR_L1.32@440.94,1771.65 v2(523.62,1771.66)
EXTEND_B16: HDR_L1.34 U4.M3 | length 767.1
  Top Layer w7.87: v1(1090.55,1555.12) U4.M3@1110.24,1535.43
  MidLayer1 w5: v2(500,1740.16) 519.68,1740.16 696.85,1562.99 937.01,1562.99 952.76,1578.74 956.69,1578.74 968.5,1578.74 1027.56,1578.74 1051.18,1555.12 v1@1090.55,1555.12
  Bottom Layer w7.87: HDR_L1.34@440.94,1740.15 v2(500,1740.16)
EXTEND_B17: HDR_L1.36 U4.M4 | length 803.2
  Top Layer w7.87: v1(1129.92,1555.12) U4.M4@1149.61,1535.43
  MidLayer1 w5: v2(523.62,1708.66) 688.98,1543.31 940.94,1543.31 956.69,1527.56 968.5,1527.56 1070.87,1527.56 1078.74,1535.43 1110.23,1535.43 v1(1129.92,1555.12)
  Bottom Layer w7.87: HDR_L1.36@440.94,1708.66 v2(523.62,1708.66)
EXTEND_B18: HDR_L1.38 U4.P4 | length 829.3
  Top Layer w7.87: v1(1129.92,1437.01) U4.P4@1149.61,1456.69
  MidLayer1 w5: v2(500,1677.17) 523.62,1677.17 759.84,1440.94 956.69,1440.94 968.5,1440.94 1062.99,1440.94 1078.74,1456.69 1110.23,1456.69 v1(1129.92,1437.01)
  Bottom Layer w7.87: HDR_L1.38@440.94,1677.16 v2(500,1677.17)
EXTEND_B19: HDR_L1.40 U4.P3 | length 770.4
  Top Layer w7.87: v1(1090.55,1437.01) U4.P3@1110.24,1456.69
  MidLayer1 w5: v2(523.62,1645.67) 740.16,1429.13 956.69,1429.13 968.5,1429.13 1066.93,1429.13 1074.8,1437.01 v1(1090.55,1437.01)
  Bottom Layer w7.87: HDR_L1.40@440.94,1645.67 v2(523.62,1645.67)
EXTEND_B20: HDR_L1.42 U4.R4 | length 806.5
  Top Layer w7.87: v1(1129.92,1397.64) U4.R4@1149.61,1417.32
  MidLayer1 w5: v2(500,1614.17) 523.62,1614.17 641.73,1496.06 720.47,1417.32 956.69,1417.32 968.5,1417.32 1110.23,1417.32 v1(1129.92,1397.64)
  Bottom Layer w7.87: HDR_L1.42@440.94,1614.17 v2(500,1614.17)